# KiCad board nuevo5.kicad_pcb
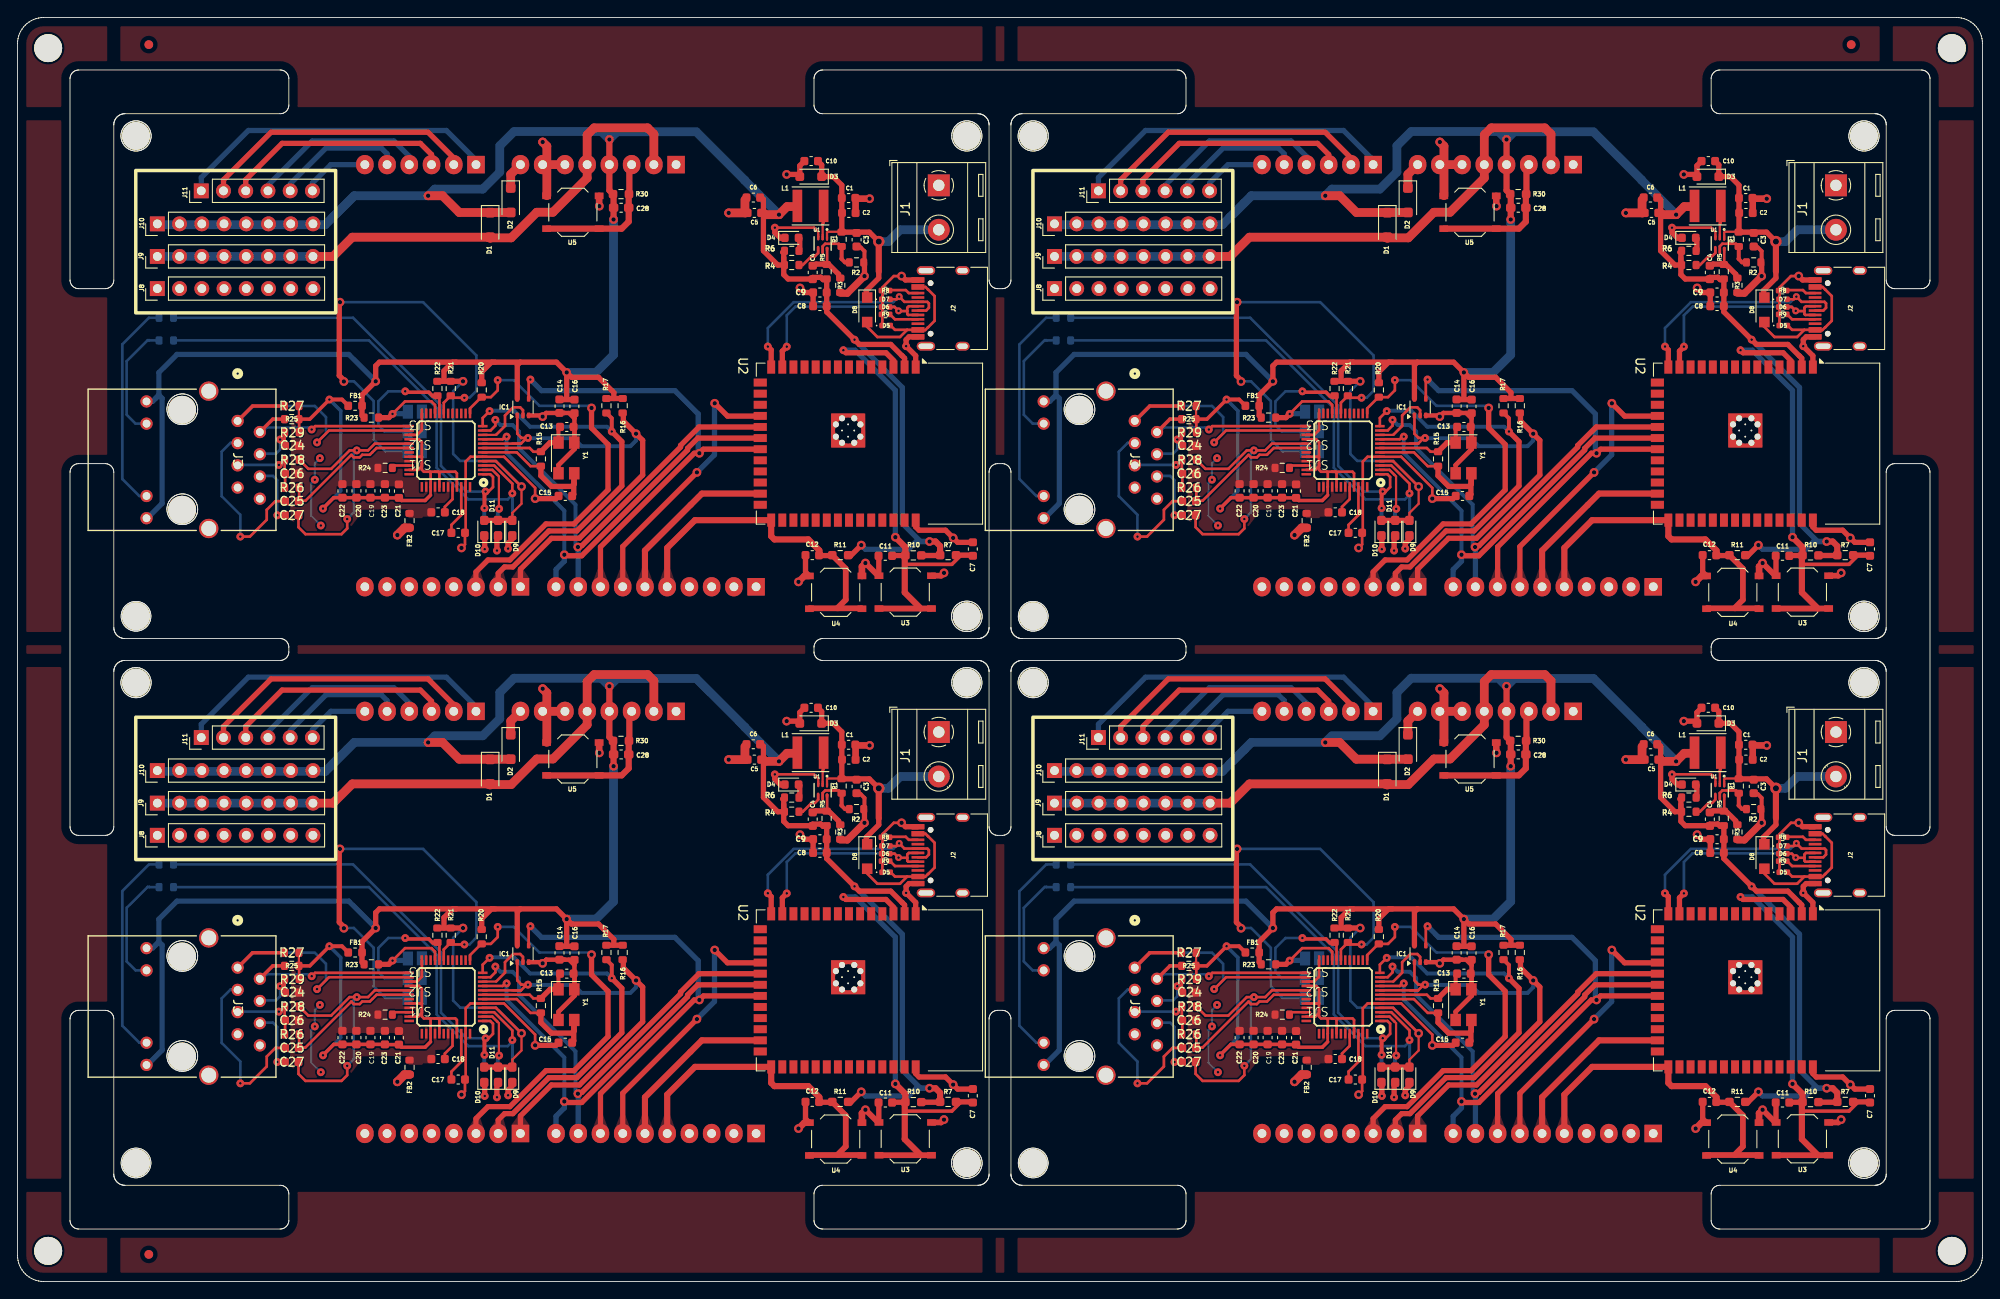
[diagram p0: board, top side]
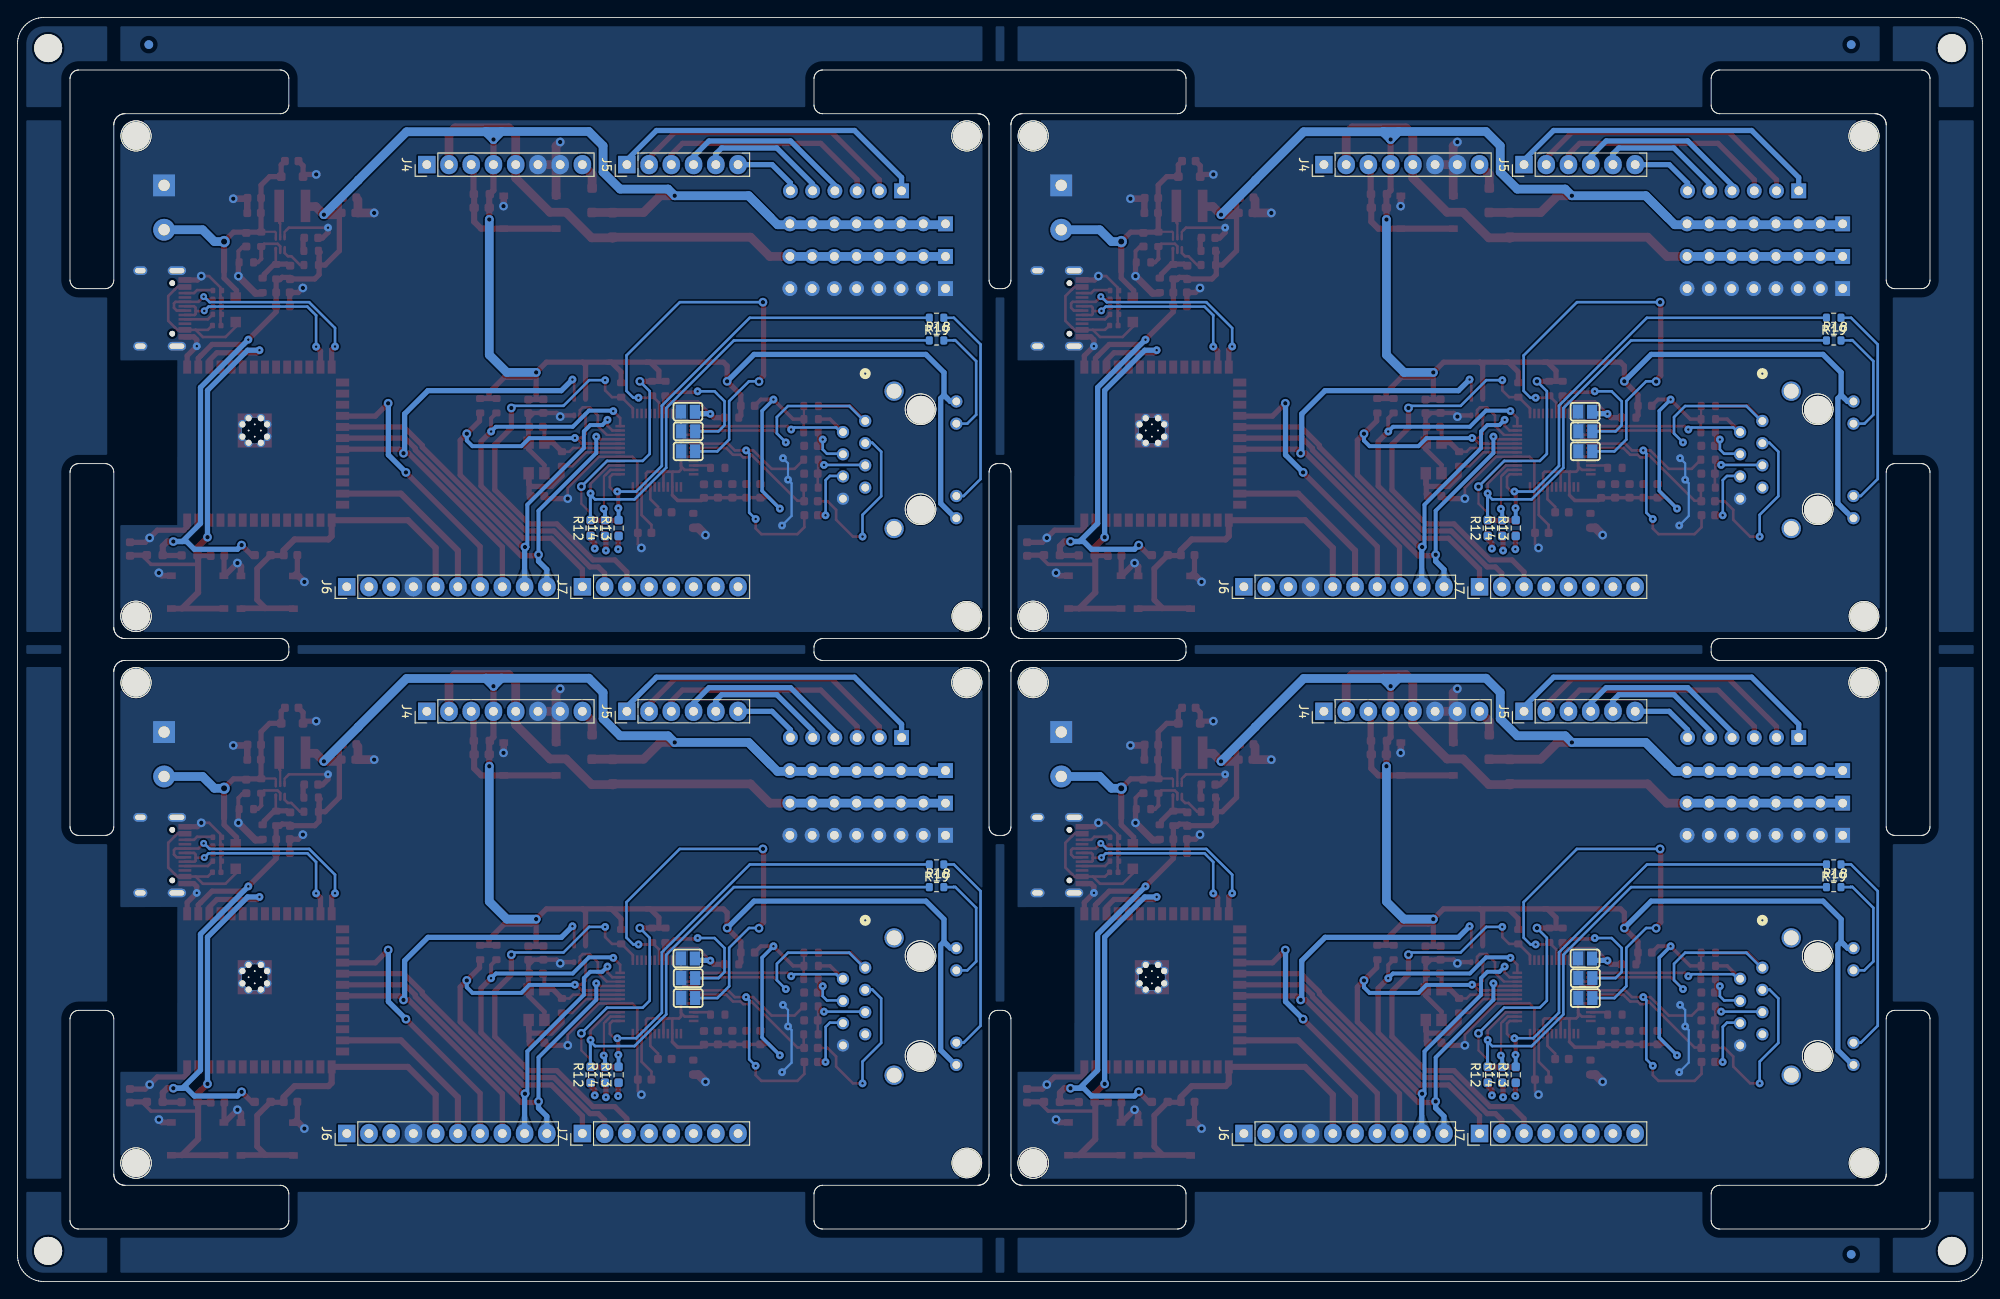
[diagram p1: board, bottom side, seen from below]

Outline 224.5 x 144.5 mm; copper layers: Top, Bottom. Coordinates in mm from the lower left corner of the outline.
Stack: Top 0.035mm / dielectric 1.51mm FR4 er 4.5 / Bottom 0.035mm

## Placement (name value [footprint] x y rotation side)
C1  10uF  [C_0603_1608Metric]  197.45 61.36 0 top
C1#2  10uF  [C_0603_1608Metric]  94.95 123.86 0 top
C1#3  10uF  [C_0603_1608Metric]  197.45 123.86 0 top
C1#4  10uF  [C_0603_1608Metric]  94.95 61.36 0 top
C2  10uF  [C_0603_1608Metric]  197.47 59.66 0 top
C2#2  10uF  [C_0603_1608Metric]  94.98 122.16 0 top
C2#3  10uF  [C_0603_1608Metric]  94.98 59.66 0 top
C2#4  10uF  [C_0603_1608Metric]  197.47 122.16 0 top
C3  100nF  [C_0603_1608Metric]  95.87 56.59 270 top
C3#2  100nF  [C_0603_1608Metric]  198.37 56.59 270 top
C3#3  100nF  [C_0603_1608Metric]  95.87 119.09 270 top
C3#4  100nF  [C_0603_1608Metric]  198.37 119.09 270 top
C4  56pF  [C_0603_1608Metric]  90.85 115.35 270 top
C4#2  56pF  [C_0603_1608Metric]  193.35 52.85 270 top
C4#3  56pF  [C_0603_1608Metric]  193.35 115.35 270 top
C4#4  56pF  [C_0603_1608Metric]  90.85 52.85 270 top
C5  22uF  [C_0603_1608Metric]  186.69 59.66 180 top
C5#2  22uF  [C_0603_1608Metric]  84.19 59.66 180 top
C5#3  22uF  [C_0603_1608Metric]  84.19 122.16 180 top
C5#4  22uF  [C_0603_1608Metric]  186.69 122.16 180 top
C6  100nF  [C_0603_1608Metric]  186.56 61.41 180 top
C6#2  100nF  [C_0603_1608Metric]  84.07 123.91 180 top
C6#3  100nF  [C_0603_1608Metric]  84.07 61.41 180 top
C6#4  100nF  [C_0603_1608Metric]  186.56 123.91 180 top
C7  10uF  [C_0603_1608Metric]  211.64 83.73 90 top
C7#2  10uF  [C_0603_1608Metric]  109.14 83.73 90 top
C7#3  10uF  [C_0603_1608Metric]  109.14 21.23 90 top
C7#4  10uF  [C_0603_1608Metric]  211.64 21.23 90 top
C8  0.1uF  [C_0603_1608Metric]  194.17 49.01 180 top
C8#2  0.1uF  [C_0603_1608Metric]  194.17 111.51 180 top
C8#3  0.1uF  [C_0603_1608Metric]  91.67 111.51 180 top
C8#4  0.1uF  [C_0603_1608Metric]  91.67 49.01 180 top
C9  10uF  [C_0603_1608Metric]  91.67 50.56 180 top
C9#2  10uF  [C_0603_1608Metric]  194.17 113.06 180 top
C9#3  10uF  [C_0603_1608Metric]  194.17 50.56 180 top
C9#4  10uF  [C_0603_1608Metric]  91.67 113.06 180 top
C10  10uF  [C_0603_1608Metric]  193.17 128.08 180 top
C10#2  10uF  [C_0603_1608Metric]  90.68 65.58 180 top
C10#3  10uF  [C_0603_1608Metric]  90.68 128.08 180 top
C10#4  10uF  [C_0603_1608Metric]  193.17 65.58 180 top
C11  10uF  [C_0603_1608Metric]  99.15 20.46 180 top
C11#2  10uF  [C_0603_1608Metric]  99.15 82.96 180 top
C11#3  10uF  [C_0603_1608Metric]  201.65 20.46 180 top
C11#4  10uF  [C_0603_1608Metric]  201.65 82.96 180 top
C12  10uF  [C_0603_1608Metric]  90.8 83.03 180 top
C12#2  10uF  [C_0603_1608Metric]  193.3 83.03 180 top
C12#3  10uF  [C_0603_1608Metric]  193.3 20.53 180 top
C12#4  10uF  [C_0603_1608Metric]  90.8 20.53 180 top
C13  22pF  [C_0603_1608Metric]  165.25 35.19 0 top
C13#2  22pF  [C_0603_1608Metric]  165.25 97.69 0 top
C13#3  22pF  [C_0603_1608Metric]  62.76 97.69 0 top
C13#4  22pF  [C_0603_1608Metric]  62.76 35.19 0 top
C14  10uF  [C_0603_1608Metric]  61.92 37.57 270 top
C14#2  10uF  [C_0603_1608Metric]  164.42 37.57 270 top
C14#3  10uF  [C_0603_1608Metric]  61.92 100.07 270 top
C14#4  10uF  [C_0603_1608Metric]  164.42 100.07 270 top
C15  22pF  [C_0603_1608Metric]  165.09 89.8 180 top
C15#2  22pF  [C_0603_1608Metric]  165.09 27.3 180 top
C15#3  22pF  [C_0603_1608Metric]  62.59 89.8 180 top
C15#4  22pF  [C_0603_1608Metric]  62.59 27.3 180 top
C16  0.1uF  [C_0603_1608Metric]  63.63 100.04 270 top
C16#2  0.1uF  [C_0603_1608Metric]  166.13 100.04 270 top
C16#3  0.1uF  [C_0603_1608Metric]  63.63 37.54 270 top
C16#4  0.1uF  [C_0603_1608Metric]  166.13 37.54 270 top
C17  0.1uF  [C_0603_1608Metric]  50.35 85.59 0 top
C17#2  0.1uF  [C_0603_1608Metric]  50.35 23.09 0 top
C17#3  0.1uF  [C_0603_1608Metric]  152.85 85.59 0 top
C17#4  0.1uF  [C_0603_1608Metric]  152.85 23.09 0 top
C18  10uF  [C_0603_1608Metric]  48.05 87.93 180 top
C18#2  10uF  [C_0603_1608Metric]  150.55 87.93 180 top
C18#3  10uF  [C_0603_1608Metric]  150.55 25.43 180 top
C18#4  10uF  [C_0603_1608Metric]  48.05 25.43 180 top
C19  0.1uF  [C_0603_1608Metric]  142.82 90.38 90 top
C19#2  0.1uF  [C_0603_1608Metric]  142.82 27.88 90 top
C19#3  0.1uF  [C_0603_1608Metric]  40.32 90.38 90 top
C19#4  0.1uF  [C_0603_1608Metric]  40.32 27.88 90 top
C20  0.1uF  [C_0603_1608Metric]  141.22 27.88 90 top
C20#2  0.1uF  [C_0603_1608Metric]  141.22 90.38 90 top
C20#3  0.1uF  [C_0603_1608Metric]  38.72 90.38 90 top
C20#4  0.1uF  [C_0603_1608Metric]  38.72 27.88 90 top
C21  0.1uF  [C_0603_1608Metric]  43.57 90.36 90 top
C21#2  0.1uF  [C_0603_1608Metric]  43.57 27.86 90 top
C21#3  0.1uF  [C_0603_1608Metric]  146.07 90.36 90 top
C21#4  0.1uF  [C_0603_1608Metric]  146.07 27.86 90 top
C22  0.1uF  [C_0603_1608Metric]  37.12 27.88 90 top
C22#2  0.1uF  [C_0603_1608Metric]  139.62 27.88 90 top
C22#3  0.1uF  [C_0603_1608Metric]  139.62 90.38 90 top
C22#4  0.1uF  [C_0603_1608Metric]  37.12 90.38 90 top
C23  10uF  [C_0603_1608Metric]  41.97 27.88 90 top
C23#2  10uF  [C_0603_1608Metric]  144.47 90.38 90 top
C23#3  10uF  [C_0603_1608Metric]  41.97 90.38 90 top
C23#4  10uF  [C_0603_1608Metric]  144.47 27.88 90 top
C24  10nF  [C_0603_1608Metric]  133.85 33.03 0 top
C24#2  10nF  [C_0603_1608Metric]  31.35 95.53 0 top
C24#3  10nF  [C_0603_1608Metric]  31.35 33.03 0 top
C24#4  10nF  [C_0603_1608Metric]  133.85 95.53 0 top
C25  6.8nF  [C_0603_1608Metric]  31.35 89.2 0 top
C25#2  6.8nF  [C_0603_1608Metric]  31.35 26.7 0 top
C25#3  6.8nF  [C_0603_1608Metric]  133.85 89.2 0 top
C25#4  6.8nF  [C_0603_1608Metric]  133.85 26.7 0 top
C26  10nF  [C_0603_1608Metric]  133.85 29.85 0 top
C26#2  10nF  [C_0603_1608Metric]  133.85 92.35 0 top
C26#3  10nF  [C_0603_1608Metric]  31.35 29.85 0 top
C26#4  10nF  [C_0603_1608Metric]  31.35 92.35 0 top
C27  6.8nF  [C_0603_1608Metric]  133.83 25.1 0 top
C27#2  6.8nF  [C_0603_1608Metric]  133.83 87.6 0 top
C27#3  6.8nF  [C_0603_1608Metric]  31.33 87.6 0 top
C27#4  6.8nF  [C_0603_1608Metric]  31.33 25.1 0 top
C28  1nF  [C_0603_1608Metric_Pad1.08x0.95mm_HandSolder]  171.47 60.25 0 top
C28#2  1nF  [C_0603_1608Metric_Pad1.08x0.95mm_HandSolder]  68.97 122.75 0 top
C28#3  1nF  [C_0603_1608Metric_Pad1.08x0.95mm_HandSolder]  68.97 60.25 0 top
C28#4  1nF  [C_0603_1608Metric_Pad1.08x0.95mm_HandSolder]  171.47 122.75 0 top
D1  DSS14U  [D_SOD-123F]  54 120.78 270 top
D1#2  DSS14U  [D_SOD-123F]  54 58.28 270 top
D1#3  DSS14U  [D_SOD-123F]  156.5 58.28 270 top
D1#4  DSS14U  [D_SOD-123F]  156.5 120.78 270 top
D2  DSS14U  [D_SOD-123F]  56.35 123.61 270 top
D2#2  DSS14U  [D_SOD-123F]  158.85 123.61 270 top
D2#3  DSS14U  [D_SOD-123F]  56.35 61.11 270 top
D2#4  DSS14U  [D_SOD-123F]  158.85 61.11 270 top
D3  SD12C-7  [D_SOD-323_HandSoldering]  193.12 63.81 180 top
D3#2  SD12C-7  [D_SOD-323_HandSoldering]  193.12 126.31 180 top
D3#3  SD12C-7  [D_SOD-323_HandSoldering]  90.63 126.31 180 top
D3#4  SD12C-7  [D_SOD-323_HandSoldering]  90.63 63.81 180 top
D4  LED_POW  [LED_0603_1608Metric]  190.95 56.81 0 top
D4#2  LED_POW  [LED_0603_1608Metric]  190.95 119.31 0 top
D4#3  LED_POW  [LED_0603_1608Metric]  88.45 119.31 0 top
D4#4  LED_POW  [LED_0603_1608Metric]  88.45 56.81 0 top
D5  D_TVS_Filled  [D_0402_1005Metric]  99.24 46.78 0 top
D5#2  D_TVS_Filled  [D_0402_1005Metric]  201.74 109.28 0 top
D5#3  D_TVS_Filled  [D_0402_1005Metric]  99.24 109.28 0 top
D5#4  D_TVS_Filled  [D_0402_1005Metric]  201.74 46.78 0 top
D6  D_TVS_Filled  [D_0402_1005Metric]  99.19 111.4 0 top
D6#2  D_TVS_Filled  [D_0402_1005Metric]  201.68 48.9 0 top
D6#3  D_TVS_Filled  [D_0402_1005Metric]  201.68 111.4 0 top
D6#4  D_TVS_Filled  [D_0402_1005Metric]  99.19 48.9 0 top
D7  D_TVS_Filled  [D_0402_1005Metric]  99.21 112.28 0 top
D7#2  D_TVS_Filled  [D_0402_1005Metric]  99.21 49.78 0 top
D7#3  D_TVS_Filled  [D_0402_1005Metric]  201.7 112.28 0 top
D7#4  D_TVS_Filled  [D_0402_1005Metric]  201.7 49.78 0 top
D8  1N5819  [Nexperia_CFP3_SOD-123W]  199.57 48.58 270 top
D8#2  1N5819  [Nexperia_CFP3_SOD-123W]  97.08 48.58 270 top
D8#3  1N5819  [Nexperia_CFP3_SOD-123W]  97.08 111.08 270 top
D8#4  1N5819  [Nexperia_CFP3_SOD-123W]  199.57 111.08 270 top
D9  LED_POW  [LED_0603_1608Metric_Pad1.05x0.95mm_HandSolder]  159.03 23.63 90 top
D9#2  LED_POW  [LED_0603_1608Metric_Pad1.05x0.95mm_HandSolder]  56.53 23.63 90 top
D9#3  LED_POW  [LED_0603_1608Metric_Pad1.05x0.95mm_HandSolder]  56.53 86.13 90 top
D9#4  LED_POW  [LED_0603_1608Metric_Pad1.05x0.95mm_HandSolder]  159.03 86.13 90 top
D10  LED_POW  [LED_0603_1608Metric_Pad1.05x0.95mm_HandSolder]  53.33 86.13 90 top
D10#2  LED_POW  [LED_0603_1608Metric_Pad1.05x0.95mm_HandSolder]  155.82 23.63 90 top
D10#3  LED_POW  [LED_0603_1608Metric_Pad1.05x0.95mm_HandSolder]  155.82 86.13 90 top
D10#4  LED_POW  [LED_0603_1608Metric_Pad1.05x0.95mm_HandSolder]  53.33 23.63 90 top
D11  LED_POW  [LED_0603_1608Metric_Pad1.05x0.95mm_HandSolder]  157.4 86.13 90 top
D11#2  LED_POW  [LED_0603_1608Metric_Pad1.05x0.95mm_HandSolder]  54.9 86.13 90 top
D11#3  LED_POW  [LED_0603_1608Metric_Pad1.05x0.95mm_HandSolder]  54.9 23.63 90 top
D11#4  LED_POW  [LED_0603_1608Metric_Pad1.05x0.95mm_HandSolder]  157.4 23.63 90 top
FB1  ferrite  [L_0603_1608Metric]  141.07 37.61 180 top
FB1#2  ferrite  [L_0603_1608Metric]  38.57 100.11 180 top
FB1#3  ferrite  [L_0603_1608Metric]  141.07 100.11 180 top
FB1#4  ferrite  [L_0603_1608Metric]  38.57 37.61 180 top
FB2  ferrite  [R_0603_1608Metric]  44.79 24.48 90 top
FB2#2  ferrite  [R_0603_1608Metric]  147.29 86.98 90 top
FB2#3  ferrite  [R_0603_1608Metric]  147.29 24.48 90 top
FB2#4  ferrite  [R_0603_1608Metric]  44.79 86.98 90 top
IC1  74AHC1G125  [SOT-353_SC-70-5]  160.25 99.96 90 top
IC1#2  74AHC1G125  [SOT-353_SC-70-5]  160.25 37.46 90 top
IC1#3  74AHC1G125  [SOT-353_SC-70-5]  57.75 37.46 90 top
IC1#4  74AHC1G125  [SOT-353_SC-70-5]  57.75 99.96 90 top
J1  BAT  [TerminalBlock_RND_205-00287_1x02_P5.08mm_Horizontal]  207.75 62.81 270 top
J1#2  BAT  [TerminalBlock_RND_205-00287_1x02_P5.08mm_Horizontal]  105.26 125.31 270 top
J1#3  BAT  [TerminalBlock_RND_205-00287_1x02_P5.08mm_Horizontal]  207.75 125.31 270 top
J1#4  BAT  [TerminalBlock_RND_205-00287_1x02_P5.08mm_Horizontal]  105.26 62.81 270 top
J2  USB_C_Receptacle_USB2.0_16P  [USB_C_Receptacle_HRO_TYPE-C-31-M-12]  209.42 48.74 90 top
J2#2  USB_C_Receptacle_USB2.0_16P  [USB_C_Receptacle_HRO_TYPE-C-31-M-12]  209.42 111.24 90 top
J2#3  USB_C_Receptacle_USB2.0_16P  [USB_C_Receptacle_HRO_TYPE-C-31-M-12]  106.92 111.24 90 top
J2#4  USB_C_Receptacle_USB2.0_16P  [USB_C_Receptacle_HRO_TYPE-C-31-M-12]  106.92 48.74 90 top
J3  RJ45  [CONN12_ARJM11B1-009-AB-EW2_ABR]  18.8 93.93 270 top
J3#2  RJ45  [CONN12_ARJM11B1-009-AB-EW2_ABR]  18.8 31.43 270 top
J3#3  RJ45  [CONN12_ARJM11B1-009-AB-EW2_ABR]  121.3 93.93 270 top
J3#4  RJ45  [CONN12_ARJM11B1-009-AB-EW2_ABR]  121.3 31.43 270 top
J4  Power  [PinHeader_1x08_P2.54mm_Vertical#2]  177.74 127.68 90 bottom
J4#2  Power  [PinHeader_1x08_P2.54mm_Vertical#2]  75.24 65.18 90 bottom
J4#3  Power  [PinHeader_1x08_P2.54mm_Vertical#2]  75.24 127.68 90 bottom
J4#4  Power  [PinHeader_1x08_P2.54mm_Vertical#2]  177.74 65.18 90 bottom
J5  Analog  [PinHeader_1x06_P2.54mm_Vertical#2]  52.38 65.18 90 bottom
J5#2  Analog  [PinHeader_1x06_P2.54mm_Vertical#2]  154.88 127.68 90 bottom
J5#3  Analog  [PinHeader_1x06_P2.54mm_Vertical#2]  52.38 127.68 90 bottom
J5#4  Analog  [PinHeader_1x06_P2.54mm_Vertical#2]  154.88 65.18 90 bottom
J6  Digital/PWM  [PinHeader_1x10_P2.54mm_Vertical]  84.39 79.42 90 bottom
J6#2  Digital/PWM  [PinHeader_1x10_P2.54mm_Vertical]  186.89 16.92 90 bottom
J6#3  Digital/PWM  [PinHeader_1x10_P2.54mm_Vertical]  84.39 16.92 90 bottom
J6#4  Digital/PWM  [PinHeader_1x10_P2.54mm_Vertical]  186.89 79.42 90 bottom
J7  Digital/PWM  [PinHeader_1x08_P2.54mm_Vertical#2]  159.96 79.42 90 bottom
J7#2  Digital/PWM  [PinHeader_1x08_P2.54mm_Vertical#2]  57.46 16.92 90 bottom
J7#3  Digital/PWM  [PinHeader_1x08_P2.54mm_Vertical#2]  57.46 79.42 90 bottom
J7#4  Digital/PWM  [PinHeader_1x08_P2.54mm_Vertical#2]  159.96 16.92 90 bottom
J8  Conn_01x08  [PinHeader_1x08_P2.54mm_Vertical]  15.98 113.51 90 top
J8#2  Conn_01x08  [PinHeader_1x08_P2.54mm_Vertical]  118.47 51.01 90 top
J8#3  Conn_01x08  [PinHeader_1x08_P2.54mm_Vertical]  15.98 51.01 90 top
J8#4  Conn_01x08  [PinHeader_1x08_P2.54mm_Vertical]  118.47 113.51 90 top
J9  Conn_01x08  [PinHeader_1x08_P2.54mm_Vertical]  118.47 117.18 90 top
J9#2  Conn_01x08  [PinHeader_1x08_P2.54mm_Vertical]  15.98 117.18 90 top
J9#3  Conn_01x08  [PinHeader_1x08_P2.54mm_Vertical]  118.47 54.68 90 top
J9#4  Conn_01x08  [PinHeader_1x08_P2.54mm_Vertical]  15.98 54.68 90 top
J10  Conn_01x08  [PinHeader_1x08_P2.54mm_Vertical]  118.47 58.41 90 top
J10#2  Conn_01x08  [PinHeader_1x08_P2.54mm_Vertical]  15.98 120.91 90 top
J10#3  Conn_01x08  [PinHeader_1x08_P2.54mm_Vertical]  15.98 58.41 90 top
J10#4  Conn_01x08  [PinHeader_1x08_P2.54mm_Vertical]  118.47 120.91 90 top
J11  Analogico  [PinHeader_1x06_P2.54mm_Vertical]  123.49 124.68 90 top
J11#2  Analogico  [PinHeader_1x06_P2.54mm_Vertical]  21 62.18 90 top
J11#3  Analogico  [PinHeader_1x06_P2.54mm_Vertical]  21 124.68 90 top
J11#4  Analogico  [PinHeader_1x06_P2.54mm_Vertical]  123.49 62.18 90 top
KiKit_FID_B_1  -  [Fiducial]  15 141.4 180 bottom
KiKit_FID_B_2  -  [Fiducial]  209.5 141.4 180 bottom
KiKit_FID_B_3  -  [Fiducial]  15 3.1 180 bottom
KiKit_FID_T_1  -  [Fiducial]  15 141.4 0 top
KiKit_FID_T_2  -  [Fiducial]  209.5 141.4 0 top
KiKit_FID_T_3  -  [Fiducial]  15 3.1 0 top
KiKit_TO_1  -  [NPTH]  3.5 141 0 top
KiKit_TO_2  -  [NPTH]  221 141 0 top
KiKit_TO_3  -  [NPTH]  3.5 3.5 0 top
KiKit_TO_4  -  [NPTH]  221 3.5 0 top
L1  2.2uH  [IND_PA4332.222NLT]  90.6 122.96 180 top
L1#2  2.2uH  [IND_PA4332.222NLT]  193.1 60.46 180 top
L1#3  2.2uH  [IND_PA4332.222NLT]  193.1 122.96 180 top
L1#4  2.2uH  [IND_PA4332.222NLT]  90.6 60.46 180 top
MH1  -  [MountingHole_3.2mm]  210.96 76.04 180 top
MH1#2  -  [MountingHole_3.2mm]  108.46 76.04 180 top
MH1#3  -  [MountingHole_3.2mm]  108.46 13.54 180 top
MH1#4  -  [MountingHole_3.2mm]  210.96 13.54 180 top
MH2  -  [MountingHole_3.2mm]  108.46 130.96 180 top
MH2#2  -  [MountingHole_3.2mm]  210.96 68.46 180 top
MH2#3  -  [MountingHole_3.2mm]  108.46 68.46 180 top
MH2#4  -  [MountingHole_3.2mm]  210.96 130.96 180 top
MH3  -  [MountingHole_3.2mm]  13.54 76.05 180 top
MH3#2  -  [MountingHole_3.2mm]  116.04 76.05 180 top
MH3#3  -  [MountingHole_3.2mm]  13.54 13.55 180 top
MH3#4  -  [MountingHole_3.2mm]  116.04 13.55 180 top
MH4  -  [MountingHole_3.2mm]  13.54 68.46 180 top
MH4#2  -  [MountingHole_3.2mm]  13.54 130.96 180 top
MH4#3  -  [MountingHole_3.2mm]  116.04 130.96 180 top
MH4#4  -  [MountingHole_3.2mm]  116.04 68.46 180 top
R1  100K  [R_0603_1608Metric]  196.65 56.64 90 top
R1#2  100K  [R_0603_1608Metric]  94.16 56.64 90 top
R1#3  100K  [R_0603_1608Metric]  94.16 119.14 90 top
R1#4  100K  [R_0603_1608Metric]  196.65 119.14 90 top
R2  32K  [R_0603_1608Metric]  95.86 54 180 top
R2#2  32K  [R_0603_1608Metric]  198.35 54 180 top
R2#3  32K  [R_0603_1608Metric]  198.35 116.5 180 top
R2#4  32K  [R_0603_1608Metric]  95.86 116.5 180 top
R3  10K  [R_0603_1608Metric]  196.5 51.38 90 top
R3#2  10K  [R_0603_1608Metric]  94 113.88 90 top
R3#3  10K  [R_0603_1608Metric]  196.5 113.88 90 top
R3#4  10K  [R_0603_1608Metric]  94 51.38 90 top
R4  10K  [R_0603_1608Metric]  88.46 53.7 180 top
R4#2  10K  [R_0603_1608Metric]  88.46 116.2 180 top
R4#3  10K  [R_0603_1608Metric]  190.95 53.7 180 top
R4#4  10K  [R_0603_1608Metric]  190.95 116.2 180 top
R5  220K  [R_0603_1608Metric]  92.44 52.94 270 top
R5#2  220K  [R_0603_1608Metric]  194.94 52.94 270 top
R5#3  220K  [R_0603_1608Metric]  194.94 115.44 270 top
R5#4  220K  [R_0603_1608Metric]  92.44 115.44 270 top
R6  1K  [R_0603_1608Metric]  88.46 55.32 0 top
R6#2  1K  [R_0603_1608Metric]  190.95 55.32 0 top
R6#3  1K  [R_0603_1608Metric]  190.95 117.82 0 top
R6#4  1K  [R_0603_1608Metric]  88.46 117.82 0 top
R7  1K  [R_0603_1608Metric_Pad0.98x0.95mm_HandSolder]  208.82 83.03 180 top
R7#2  1K  [R_0603_1608Metric_Pad0.98x0.95mm_HandSolder]  106.32 20.53 180 top
R7#3  1K  [R_0603_1608Metric_Pad0.98x0.95mm_HandSolder]  106.32 83.03 180 top
R7#4  1K  [R_0603_1608Metric_Pad0.98x0.95mm_HandSolder]  208.82 20.53 180 top
R8  5k1  [R_0402_1005Metric]  99.17 50.78 180 top
R8#2  5k1  [R_0402_1005Metric]  99.17 113.28 180 top
R8#3  5k1  [R_0402_1005Metric]  201.66 113.28 180 top
R8#4  5k1  [R_0402_1005Metric]  201.66 50.78 180 top
R9  5k1  [R_0402_1005Metric]  99.18 48.06 180 top
R9#2  5k1  [R_0402_1005Metric]  201.67 110.56 180 top
R9#3  5k1  [R_0402_1005Metric]  99.18 110.56 180 top
R9#4  5k1  [R_0402_1005Metric]  201.67 48.06 180 top
R10  1K  [R_0603_1608Metric_Pad0.98x0.95mm_HandSolder]  102.35 20.51 0 top
R10#2  1K  [R_0603_1608Metric_Pad0.98x0.95mm_HandSolder]  102.35 83.01 0 top
R10#3  1K  [R_0603_1608Metric_Pad0.98x0.95mm_HandSolder]  204.85 20.51 0 top
R10#4  1K  [R_0603_1608Metric_Pad0.98x0.95mm_HandSolder]  204.85 83.01 0 top
R11  1K  [R_0603_1608Metric_Pad0.98x0.95mm_HandSolder]  93.99 20.53 0 top
R11#2  1K  [R_0603_1608Metric_Pad0.98x0.95mm_HandSolder]  196.49 83.03 0 top
R11#3  1K  [R_0603_1608Metric_Pad0.98x0.95mm_HandSolder]  93.99 83.03 0 top
R11#4  1K  [R_0603_1608Metric_Pad0.98x0.95mm_HandSolder]  196.49 20.53 0 top
R12  1K  [R_0603_1608Metric_Pad0.98x0.95mm_HandSolder]  159.02 23.63 90 bottom
R12#2  1K  [R_0603_1608Metric_Pad0.98x0.95mm_HandSolder]  56.53 23.63 90 bottom
R12#3  1K  [R_0603_1608Metric_Pad0.98x0.95mm_HandSolder]  56.53 86.13 90 bottom
R12#4  1K  [R_0603_1608Metric_Pad0.98x0.95mm_HandSolder]  159.02 86.13 90 bottom
R13  1K  [R_0603_1608Metric_Pad0.98x0.95mm_HandSolder]  53.33 86.13 90 bottom
R13#2  1K  [R_0603_1608Metric_Pad0.98x0.95mm_HandSolder]  155.82 86.13 90 bottom
R13#3  1K  [R_0603_1608Metric_Pad0.98x0.95mm_HandSolder]  53.33 23.63 90 bottom
R13#4  1K  [R_0603_1608Metric_Pad0.98x0.95mm_HandSolder]  155.82 23.63 90 bottom
R14  1K  [R_0603_1608Metric_Pad0.98x0.95mm_HandSolder]  54.88 23.63 90 bottom
R14#2  1K  [R_0603_1608Metric_Pad0.98x0.95mm_HandSolder]  157.37 86.13 90 bottom
R14#3  1K  [R_0603_1608Metric_Pad0.98x0.95mm_HandSolder]  54.88 86.13 90 bottom
R14#4  1K  [R_0603_1608Metric_Pad0.98x0.95mm_HandSolder]  157.37 23.63 90 bottom
R15  1M  [R_0603_1608Metric]  162.29 31.53 270 top
R15#2  1M  [R_0603_1608Metric]  59.8 94.03 270 top
R15#3  1M  [R_0603_1608Metric]  59.8 31.53 270 top
R15#4  1M  [R_0603_1608Metric]  162.29 94.03 270 top
R16  10K  [R_0603_1608Metric]  171.64 100.12 90 top
R16#2  10K  [R_0603_1608Metric]  69.14 37.62 90 top
R16#3  10K  [R_0603_1608Metric]  171.64 37.62 90 top
R16#4  10K  [R_0603_1608Metric]  69.14 100.12 90 top
R17  10K  [R_0603_1608Metric]  67.28 37.62 90 top
R17#2  10K  [R_0603_1608Metric]  169.78 37.62 90 top
R17#3  10K  [R_0603_1608Metric]  169.78 100.12 90 top
R17#4  10K  [R_0603_1608Metric]  67.28 100.12 90 top
R18  470  [R_0603_1608Metric]  119.5 107.58 0 bottom
R18#2  470  [R_0603_1608Metric]  17 45.08 0 bottom
R18#3  470  [R_0603_1608Metric]  119.5 45.08 0 bottom
R18#4  470  [R_0603_1608Metric]  17 107.58 0 bottom
R19  470  [R_0603_1608Metric]  17 110.17 0 bottom
R19#2  470  [R_0603_1608Metric]  119.5 110.17 0 bottom
R19#3  470  [R_0603_1608Metric]  17 47.67 0 bottom
R19#4  470  [R_0603_1608Metric]  119.5 47.67 0 bottom
R20  10K  [R_0603_1608Metric]  155.53 39.42 270 top
R20#2  10K  [R_0603_1608Metric]  155.53 101.92 270 top
R20#3  10K  [R_0603_1608Metric]  53.03 39.42 270 top
R20#4  10K  [R_0603_1608Metric]  53.03 101.92 270 top
R21  10K  [R_0603_1608Metric]  49.5 39.58 270 top
R21#2  10K  [R_0603_1608Metric]  152 102.08 270 top
R21#3  10K  [R_0603_1608Metric]  49.5 102.08 270 top
R21#4  10K  [R_0603_1608Metric]  152 39.58 270 top
R22  10K  [R_0603_1608Metric]  47.97 102.08 270 top
R22#2  10K  [R_0603_1608Metric]  47.97 39.58 270 top
R22#3  10K  [R_0603_1608Metric]  150.47 39.58 270 top
R22#4  10K  [R_0603_1608Metric]  150.47 102.08 270 top
R23  10K  [R_0603_1608Metric]  142.92 36.26 0 top
R23#2  10K  [R_0603_1608Metric]  40.42 98.76 0 top